# Altium PCB MatrixRE.PcbDoc (part 1 of 3) (continued)
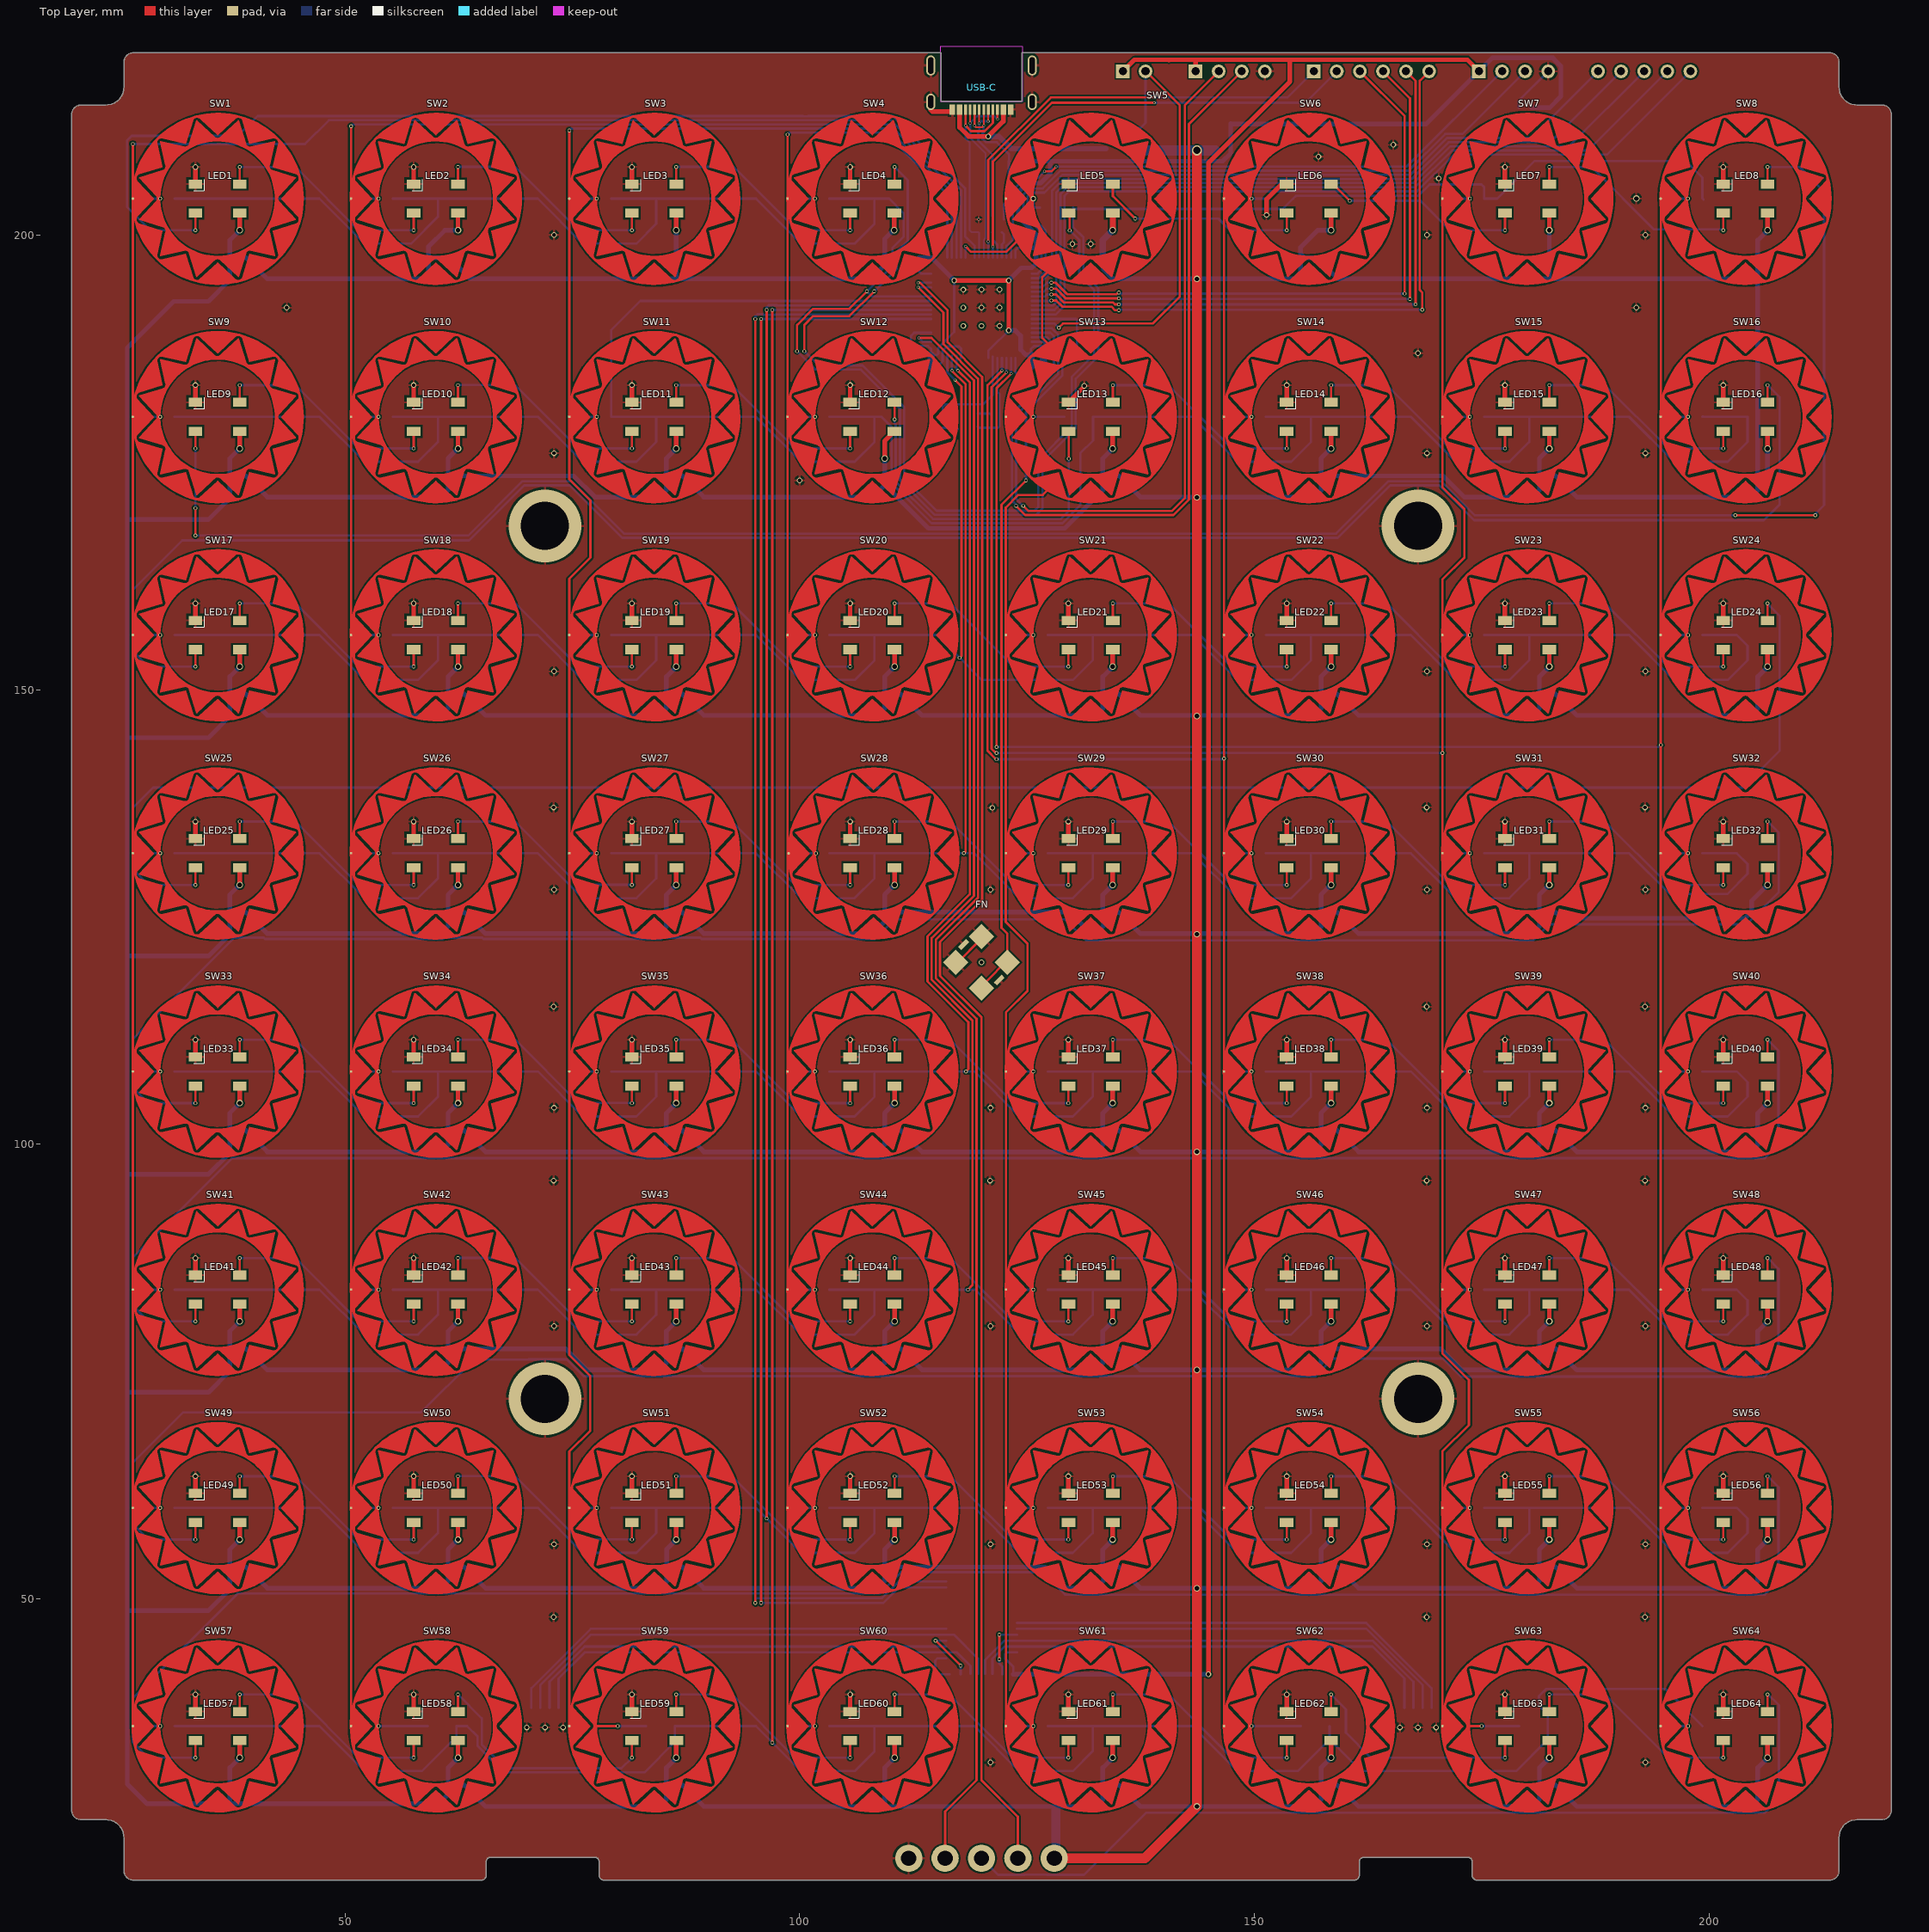
[diagram p0: Top Layer view]
## Components (designator, comment, footprint, x,y, rotation, side; value= is the part's Value field where it differs from the comment) (continued)
D40 "1N4148" SOD123 197.7,108 r0 bottom
D41 "1N4148" SOD123 29.7,84 r0 bottom
D42 "1N4148" SOD123 53.7,84 r0 bottom
D43 "1N4148" SOD123 77.7,84 r0 bottom
D44 "1N4148" SOD123 101.7,84 r0 bottom
D45 "1N4148" SOD123 125.7,84 r0 bottom
D46 "1N4148" SOD123 149.7,84 r0 bottom
D47 "1N4148" SOD123 173.7,84 r0 bottom
D48 "1N4148" SOD123 197.7,84 r0 bottom
D49 "1N4148" SOD123 29.7,60 r0 bottom
D50 "1N4148" SOD123 53.7,60 r0 bottom
D51 "1N4148" SOD123 77.7,60 r0 bottom
D52 "1N4148" SOD123 101.7,60 r0 bottom
D53 "1N4148" SOD123 125.7,60 r0 bottom
D54 "1N4148" SOD123 149.7,60 r0 bottom
D55 "1N4148" SOD123 173.7,60 r0 bottom
D56 "1N4148" SOD123 197.7,60 r0 bottom
D57 "1N4148" SOD123 29.7,36 r0 bottom
D58 "1N4148" SOD123 60.7,36 r0 bottom
D59 "1N4148" SOD123 84.7,36 r0 bottom
D60 "1N4148" SOD123 101.7,36 r0 bottom
D61 "1N4148" SOD123 125.7,36 r0 bottom
D62 "1N4148" SOD123 156.7,36 r0 bottom
D63 "1N4148" SOD123 180.7,36 r0 bottom
D64 "1N4148" SOD123 197.7,36 r0 bottom
FN "Comment" sw5x5 120,120 r45 top (schematic designator "Matrix Key")
I2C "SWD" HDR1X4 143.54,218 r0 bottom
LDO "CJA1117" SOT89-3L 147.4,212.05 r180 bottom (schematic designator L1)
LED1 "WS2812B" WS2812B 36,204 r180 top
LED2 "WS2812B" WS2812B 60,204 r180 top
LED3 "WS2812B" WS2812B 84,204 r180 top
LED4 "WS2812B" WS2812B 108,204 r180 top
LED5 "WS2812B" WS2812B 132,204 r180 top
LED6 "WS2812B" WS2812B 156,204 r180 top
LED7 "WS2812B" WS2812B 180,204 r180 top
LED8 "WS2812B" WS2812B 204,204 r180 top
LED9 "WS2812B" WS2812B 36,180 r180 top
LED10 "WS2812B" WS2812B 60,180 r180 top
LED11 "WS2812B" WS2812B 84,180 r180 top
LED12 "WS2812B" WS2812B 108,180 r180 top
LED13 "WS2812B" WS2812B 132,180 r180 top
LED14 "WS2812B" WS2812B 156,180 r180 top
LED15 "WS2812B" WS2812B 180,180 r180 top
LED16 "WS2812B" WS2812B 204,180 r180 top
LED17 "WS2812B" WS2812B 36,156 r180 top
LED18 "WS2812B" WS2812B 60,156 r180 top
LED19 "WS2812B" WS2812B 84,156 r180 top
LED20 "WS2812B" WS2812B 108,156 r180 top
LED21 "WS2812B" WS2812B 132,156 r180 top
LED22 "WS2812B" WS2812B 156,156 r180 top
LED23 "WS2812B" WS2812B 180,156 r180 top
LED24 "WS2812B" WS2812B 204,156 r180 top
LED25 "WS2812B" WS2812B 36,132 r180 top
LED26 "WS2812B" WS2812B 60,132 r180 top
LED27 "WS2812B" WS2812B 84,132 r180 top
LED28 "WS2812B" WS2812B 108,132 r180 top
LED29 "WS2812B" WS2812B 132,132 r180 top
LED30 "WS2812B" WS2812B 156,132 r180 top
LED31 "WS2812B" WS2812B 180,132 r180 top
LED32 "WS2812B" WS2812B 204,132 r180 top
LED33 "WS2812B" WS2812B 36,108 r180 top
LED34 "WS2812B" WS2812B 60,108 r180 top
LED35 "WS2812B" WS2812B 84,108 r180 top
LED36 "WS2812B" WS2812B 108,108 r180 top
LED37 "WS2812B" WS2812B 132,108 r180 top
LED38 "WS2812B" WS2812B 156,108 r180 top
LED39 "WS2812B" WS2812B 180,108 r180 top
LED40 "WS2812B" WS2812B 204,108 r180 top
LED41 "WS2812B" WS2812B 36,84 r180 top
LED42 "WS2812B" WS2812B 60,84 r180 top
LED43 "WS2812B" WS2812B 84,84 r180 top
LED44 "WS2812B" WS2812B 108,84 r180 top
LED45 "WS2812B" WS2812B 132,84 r180 top
LED46 "WS2812B" WS2812B 156,84 r180 top
LED47 "WS2812B" WS2812B 180,84 r180 top
LED48 "WS2812B" WS2812B 204,84 r180 top
LED49 "WS2812B" WS2812B 36,60 r180 top
LED50 "WS2812B" WS2812B 60,60 r180 top
LED51 "WS2812B" WS2812B 84,60 r180 top
LED52 "WS2812B" WS2812B 108,60 r180 top
LED53 "WS2812B" WS2812B 132,60 r180 top
LED54 "WS2812B" WS2812B 156,60 r180 top
LED55 "WS2812B" WS2812B 180,60 r180 top
LED56 "WS2812B" WS2812B 204,60 r180 top
LED57 "WS2812B" WS2812B 36,36 r180 top
LED58 "WS2812B" WS2812B 60,36 r180 top
LED59 "WS2812B" WS2812B 84,36 r180 top
LED60 "WS2812B" WS2812B 108,36 r180 top
LED61 "WS2812B" WS2812B 132,36 r180 top
LED62 "WS2812B" WS2812B 156,36 r180 top
LED63 "WS2812B" WS2812B 180,36 r180 top
LED64 "WS2812B" WS2812B 204,36 r180 top
MCU "RET6" STM-LQFP64_L 120,192 r90 bottom locked (schematic designator RET6)
PPTC "Fuse 1" C1206 135,209.5 r0 bottom
R3 "System" 1608[0603] 122.45,201 r270 bottom value=22 (schematic designator R5)
R4 "System" 1608[0603] 121.2,201 r270 bottom value=22
R7 "System" 1608[0603] 123.8,208.107 r0 bottom value=1.5K
R9 "Res2" C1206 135,211.79 r180 bottom value=10K
R10 "System" 1608[0603] 119.696,201 r270 bottom value=5.1k
R12 "Res2" C1206 130.5,192 r270 bottom value=10K
RA1 "820K" 8P4R 120,41 r180 bottom (schematic designator "8P4R Resistor")
RLED "Res2" C1206 36.08,213.1 r180 bottom value=10K
SPI "Comment" HDR1X5 187.79,218 r0 bottom
SW1 "" PAD#1 36,204 r0 top
SW2 "" PAD#1 60,204 r0 top
SW3 "" PAD#1 84,204 r0 top
SW4 "" PAD#1 108,204 r0 top
SW5 "" PAD#2 132,204 r0 top locked
SW6 "" PAD#1 156,204 r0 top
SW7 "" PAD#1 180,204 r0 top
SW8 "" PAD#1 204,204 r0 top
SW9 "" PAD#1 36,180 r0 top
SW10 "" PAD#1 60,180 r0 top
SW11 "" PAD#1 84,180 r0 top
SW12 "" PAD#1 108,180 r0 top locked
SW13 "" PAD#1 132,180 r0 top locked
SW14 "" PAD#1 156,180 r0 top
SW15 "" PAD#1 180,180 r0 top
SW16 "" PAD#1 204,180 r0 top
SW17 "" PAD#1 36,156 r0 top
SW18 "" PAD#1 60,156 r0 top
SW19 "" PAD#1 84,156 r0 top
SW20 "" PAD#1 108,156 r0 top
SW21 "" PAD#1 132,156 r0 top
SW22 "" PAD#1 156,156 r0 top
SW23 "" PAD#1 180,156 r0 top
SW24 "" PAD#1 204,156 r0 top
SW25 "" PAD#1 36,132 r0 top
SW26 "" PAD#1 60,132 r0 top
SW27 "" PAD#1 84,132 r0 top
SW28 "" PAD#1 108.11,131.987 r0 top locked
SW29 "" PAD#1 132,132 r0 top
SW30 "" PAD#1 156,132 r0 top
SW31 "" PAD#1 180,132 r0 top
SW32 "" PAD#1 204,132 r0 top
SW33 "" PAD#1 36,108 r0 top
SW34 "" PAD#1 60,108 r0 top
SW35 "" PAD#1 84,108 r0 top
SW36 "" PAD#1 108,108 r0 top locked
SW37 "" PAD#1 132,108 r0 top
SW38 "" PAD#1 156,108 r0 top
SW39 "" PAD#1 180,108 r0 top
SW40 "" PAD#1 204,108 r0 top
SW41 "" PAD#1 36,84 r0 top
SW42 "" PAD#1 60,84 r0 top
SW43 "" PAD#1 84,84 r0 top
SW44 "" PAD#1 108,84 r0 top
SW45 "" PAD#1 132,84 r0 top
SW46 "" PAD#1 156,84 r0 top
SW47 "" PAD#1 180,84 r0 top
SW48 "" PAD#1 204,84 r0 top
SW49 "" PAD#1 36,60 r0 top
SW50 "" PAD#1 60,60 r0 top
SW51 "" PAD#1 84,60 r0 top
SW52 "" PAD#1 108,60 r0 top
SW53 "" PAD#1 132,60 r0 top
SW54 "" PAD#1 156,60 r0 top
SW55 "" PAD#1 180,60 r0 top
SW56 "" PAD#1 204,60 r0 top
SW57 "" PAD#1 36,36 r0 top
SW58 "" PAD#1 60,36 r0 top
SW59 "" PAD#3 84,36 r0 top
SW60 "" PAD#1 108,36 r0 top
SW61 "" PAD#1 132,36 r0 top
SW62 "" PAD#1 156,36 r0 top
SW63 "" PAD#4 180,36 r0 top
SW64 "" PAD#1 204,36 r0 top
SWD "SWD" HDR1X4 174.7,218 r0 bottom
"TOUCH IC" "Comment" SSOP-28 116.1,43.45 r0 bottom
TouchBar1 "Comment" "6Pin FPC" 168,38 r180 bottom
TouchBar2 "Comment" "6Pin FPC" 72,38 r180 bottom
UART4/5 "SWD" HDR1X6 156.53,218 r0 bottom
USB-C "USBC 16PIN" "USBC 16PIN -1.6" 120,213.2 r0 top (schematic designator 1)
Y1 "System" 3225 118.5,179.5 r180 bottom

## Footprints (in the part's own frame and the unit in brackets; to place one, negate y for a bottom-side part, rotate by r counter-clockwise, add the part's x,y. Pads: shape width x height; smd on the part's side, far side on the other; paste and mask are expansions set on the pad)
"6Pin FPC" [mm]
  rect 2.6x2.6 smd: 0(-4.9,-2.15) 0(4.8,-2.15)
  rect 0.6x2.2 smd: 1(-2.5,0) 2(-1.5,0) 3(-0.5,0) 4(0.5,0) 5(1.5,0) 6(2.5,0)
  body extent -6.2,-6.85 6.1,-0.85, height 0.25
8P4R [mm]
  rect 0.45x0.9 smd: 1(-1.2,0.75) 2(-0.4,0.75) 3(0.4,0.75) 4(1.2,0.75) 5(-1.2,-0.75) 6(-0.4,-0.75) 7(0.4,-0.75) 8(1.2,-0.75)
  body extent -1.6,-0.8 1.6,0.8, height 0.6
1608[0603] [mm] "Chip Capacitor, Body 1.6x0.8mm, IPC High Density"
  rect 0.8x0.9 smd: 1(-0.7,0) 2(0.7,0)
  body extent -0.87,-0.48 0.87,0.48, height 1.3
3225 [mm]
  rect 1.4x1.2 smd: 1(-1.1,-0.85) 2(1.1,-0.85) 3(1.1,0.85) 4(-1.1,0.85)
  silkscreen extent -1.35,-1.2 -0.15,0, body extent -1.6,-1.24 1.6,1.26, height 0.61
C1206 [mm] "Chip Capacitor, Body 3.2x1.6mm, IPC High Density"
  rect 1.1x1.7 smd: 1(-1.35,0) 2(1.35,0)
  silkscreen extent -0.4,-0.75 0.4,0.75, body extent -1.7,-0.9 1.7,0.9, height 1.3
HDR1X4 [mm] "Connector; Header; 4 Position"
  rect 1.5x1.5 hole 0.9: 1(0,0)
  round 1.5 hole 0.9: 2(2.54,0) 3(5.08,0) 4(7.62,0)
  silkscreen extent -1.27,-1.27 8.89,1.27
HDR1X5 [mm] "Connector; Header; 5 Position"
  round 1.5 hole 0.9: 1(0,0) 2(2.54,0) 3(5.08,0) 4(7.62,0) 5(10.16,0)
  silkscreen extent -1.27,-1.27 11.43,1.27
HDR1X6 [mm] "Connector; Header; 6 Position"
  rect 1.5x1.5 hole 0.9: 1(0,0)
  round 1.5 hole 0.9: 2(2.54,0) 3(5.08,0) 4(7.62,0) 5(10.16,0) 6(12.7,0)
  silkscreen extent -1.27,-1.27 13.97,1.27
PAD#1 [mil]
  rrect50% 10x10 smd paste+0 mask+0: 1(-366.86,0.1)
  round 16 hole 10 paste+0 mask+0: 2(-248.03,0)
  Top Layer region: 11.52,-267 88.04,-338.41 89.8,-338.92 91.58,-338.49 92.9,-337.22 92.9,-337.22 123.53,-236.97 126.34,-231.27 131.12,-227.08 137.14,-225.05 143.48,-225.47 143.48,-225.47 245.46,-249.04 246.83,-248.77 247.99,-247.99 248.77,-246.83 249.04,-245.46 249.04,-245.46 225.47,-143.46 225.47,-135.03 229.68,-127.74 236.98,-123.52 236.98,-123.52 337.08,-92.94 338.13,-92.02 338.75,-90.76 338.84,-89.37 338.4,-88.04 338.4,-88.04 267,-11.52 262.78,-4.21 262.78,4.22 267,11.52 267,11.52 338.41,88.06 338.86,89.38 338.76,90.78 338.15,92.03 337.09,92.95 337.09,92.95 236.97,123.53 229.67,127.74 225.46,135.04 225.47,143.47 225.47,143.47 249.04,245.46 248.77,246.83 247.99,247.99 246.83,248.77 245.46,249.04 245.46,249.04 143.46,225.46 137.12,225.05 131.11,227.09 126.33,231.28 123.53,236.98 123.53,236.98 92.94,337.1 92.02,338.15 90.76,338.76 89.37,338.85 88.04,338.4 88.04,338.4 0,256.24 0,248.01 109.09,222.73 195.93,152.04 242.84,50.36 240.24,-61.58 188.66,-160.98 98.62,-227.55 -11.52,-247.74 -11.52,-247.74 -11.52,-267 -6.23,-263.47 0,-262.23 6.23,-263.47 11.52,-267
  Top Layer region: 78.86,-365.11 78.86,-349.67 88.99,-352.38 99.11,-349.67 106.52,-342.25 106.52,-342.25 137.1,-242.13 137.6,-241.12 138.45,-240.39 139.51,-240.03 140.63,-240.11 140.63,-240.11 242.63,-263.68 250.37,-262.14 256.94,-257.75 261.32,-251.19 262.86,-243.44 262.86,-243.44 239.29,-141.43 239.22,-140.32 239.58,-139.26 240.32,-138.41 241.32,-137.92 241.32,-137.92 341.42,-107.34 348.83,-99.93 351.55,-89.8 348.84,-79.68 348.84,-79.68 277.43,-3.14 276.68,-1.85 276.68,-0.36 277.43,0.93 277.43,0.93 348.84,77.47 351.38,84.95 350.86,92.83 347.37,99.91 341.43,105.12 341.44,105.12 241.32,135.7 240.32,136.2 239.57,137.05 239.21,138.11 239.29,139.23 239.29,139.23 262.86,241.22 261.32,248.97 256.94,255.54 250.37,259.93 242.63,261.47 242.63,261.47 140.63,237.89 139.51,237.82 138.44,238.18 137.6,238.92 137.1,239.93 137.1,239.93 106.52,340.05 101.31,345.99 94.22,349.48 86.34,350 78.86,347.46 78.86,347.46 2.33,276.05 1.39,275.42 0.29,275.2 -0.82,275.42 -1.75,276.05 -1.75,276.05 -91.52,359.8 76.07,363.5 228.29,293.33 334.32,163.5 372.68,0.33 335.58,-163.14 230.55,-293.78 78.86,-365.11
  Top Layer region: -78.29,362.9 -78.29,347.46 -85.77,350 -93.65,349.48 -100.74,345.99 -105.95,340.04 -105.95,340.05 -136.53,239.92 -137.03,238.92 -137.88,238.18 -138.94,237.82 -140.06,237.9 -140.06,237.9 -242.05,261.47 -249.8,259.93 -256.36,255.55 -260.75,248.98 -262.29,241.24 -262.29,241.24 -238.72,139.23 -238.65,138.11 -239.01,137.05 -239.75,136.21 -240.75,135.71 -240.75,135.71 -340.85,105.13 -346.79,99.92 -350.29,92.84 -350.81,84.95 -348.27,77.47 -348.27,77.47 -276.86,0.93 -276.23,0 -276.01,-1.1 -276.23,-2.21 -276.86,-3.14 -276.86,-3.14 -348.27,-79.68 -350.81,-87.16 -350.29,-95.04 -346.8,-102.12 -340.86,-107.33 -340.86,-107.33 -240.75,-137.91 -239.74,-138.41 -239,-139.25 -238.64,-140.32 -238.72,-141.44 -238.72,-141.44 -262.29,-243.43 -260.75,-251.18 -256.37,-257.75 -249.8,-262.14 -242.05,-263.68 -242.05,-263.68 -140.06,-240.1 -138.94,-240.03 -137.87,-240.39 -137.03,-241.13 -136.53,-242.14 -136.53,-242.14 -105.95,-342.25 -100.74,-348.19 -93.65,-351.69 -85.77,-352.2 -78.29,-349.67 -78.29,-349.67 -1.76,-278.25 -0.82,-277.63 0.28,-277.41 1.39,-277.63 2.32,-278.25 2.32,-278.25 92.09,-362 -75.49,-365.71 -227.72,-295.53 -333.75,-165.71 -372.11,-2.53 -335.01,160.93 -229.98,291.57 -78.29,362.9
  Top Layer region: -249.04,-245.46 -248.77,-246.83 -247.99,-247.99 -246.83,-248.77 -245.46,-249.04 -245.46,-249.04 -143.47,-225.47 -135.04,-225.46 -127.74,-229.67 -123.53,-236.97 -123.53,-236.97 -92.95,-337.08 -92.03,-338.13 -90.78,-338.76 -89.38,-338.85 -88.06,-338.41 -88.06,-338.41 0,-256.25 0,-248.01 -109.09,-222.73 -195.94,-152.04 -242.84,-50.36 -240.24,61.58 -188.66,160.98 -98.63,227.55 11.52,247.74 11.52,247.74 11.52,266.99 6.23,263.46 0,262.22 -6.23,263.46 -11.51,266.99 -11.51,266.99 -88.06,338.4 -89.38,338.85 -90.77,338.76 -92.03,338.14 -92.95,337.09 -92.95,337.09 -123.53,236.98 -126.33,231.28 -131.11,227.09 -137.13,225.05 -143.46,225.46 -143.46,225.46 -245.46,249.04 -246.83,248.77 -247.99,247.99 -248.77,246.82 -249.04,245.45 -249.04,245.45 -225.46,143.47 -225.04,137.13 -227.08,131.11 -231.27,126.34 -236.97,123.52 -236.97,123.52 -337.09,92.95 -338.14,92.03 -338.76,90.77 -338.85,89.38 -338.4,88.06 -338.4,88.06 -266.99,11.52 -263.46,6.23 -262.22,0 -263.46,-6.23 -266.99,-11.52 -266.99,-11.52 -338.4,-88.04 -338.85,-89.37 -338.76,-90.76 -338.15,-92.02 -337.09,-92.94 -337.09,-92.94 -236.98,-123.53 -231.28,-126.33 -227.09,-131.11 -225.05,-137.12 -225.46,-143.46 -225.46,-143.46
PAD#2 [mil]
  rrect50% 10x10 smd paste+0 mask+0: 1(-366.86,0.1)
  round 23.62 hole 15 paste+0 mask+0: 2(-248.03,0)
  Top Layer region: -249.04,-245.46 -248.77,-246.83 -247.99,-247.99 -246.83,-248.77 -245.46,-249.04 -245.46,-249.04 -143.47,-225.47 -135.04,-225.46 -127.74,-229.67 -123.53,-236.97 -123.53,-236.97 -92.95,-337.08 -92.03,-338.13 -90.78,-338.76 -89.38,-338.85 -88.06,-338.41 -88.06,-338.41 0,-256.25 0,-248.01 -109.09,-222.73 -195.94,-152.04 -242.84,-50.36 -240.24,61.58 -188.66,160.98 -98.63,227.55 11.52,247.74 11.52,247.74 11.52,266.99 6.23,263.46 0,262.22 -6.23,263.46 -11.51,266.99 -11.51,266.99 -88.06,338.4 -89.38,338.85 -90.77,338.76 -92.03,338.14 -92.95,337.09 -92.95,337.09 -123.53,236.98 -126.33,231.28 -131.11,227.09 -137.13,225.05 -143.46,225.46 -143.46,225.46 -245.46,249.04 -246.83,248.77 -247.99,247.99 -248.77,246.82 -249.04,245.45 -249.04,245.45 -225.46,143.47 -225.04,137.13 -227.08,131.11 -231.27,126.34 -236.97,123.52 -236.97,123.52 -337.09,92.95 -338.14,92.03 -338.76,90.77 -338.85,89.38 -338.4,88.06 -338.4,88.06 -266.99,11.52 -263.46,6.23 -262.22,0 -263.46,-6.23 -266.99,-11.52 -266.99,-11.52 -338.4,-88.04 -338.85,-89.37 -338.76,-90.76 -338.15,-92.02 -337.09,-92.94 -337.09,-92.94 -236.98,-123.53 -231.28,-126.33 -227.09,-131.11 -225.05,-137.12 -225.46,-143.46 -225.46,-143.46
  Top Layer region: -78.29,362.9 -78.29,347.46 -85.77,350 -93.65,349.48 -100.74,345.99 -105.95,340.04 -105.95,340.05 -136.53,239.92 -137.03,238.92 -137.88,238.18 -138.94,237.82 -140.06,237.9 -140.06,237.9 -242.05,261.47 -249.8,259.93 -256.36,255.55 -260.75,248.98 -262.29,241.24 -262.29,241.24 -238.72,139.23 -238.65,138.11 -239.01,137.05 -239.75,136.21 -240.75,135.71 -240.75,135.71 -340.85,105.13 -346.79,99.92 -350.29,92.84 -350.81,84.95 -348.27,77.47 -348.27,77.47 -276.86,0.93 -276.23,0 -276.01,-1.1 -276.23,-2.21 -276.86,-3.14 -276.86,-3.14 -348.27,-79.68 -350.81,-87.16 -350.29,-95.04 -346.8,-102.12 -340.86,-107.33 -340.86,-107.33 -240.75,-137.91 -239.74,-138.41 -239,-139.25 -238.64,-140.32 -238.72,-141.44 -238.72,-141.44 -262.29,-243.43 -260.75,-251.18 -256.37,-257.75 -249.8,-262.14 -242.05,-263.68 -242.05,-263.68 -140.06,-240.1 -138.94,-240.03 -137.87,-240.39 -137.03,-241.13 -136.53,-242.14 -136.53,-242.14 -105.95,-342.25 -100.74,-348.19 -93.65,-351.69 -85.77,-352.2 -78.29,-349.67 -78.29,-349.67 -1.76,-278.25 -0.82,-277.63 0.28,-277.41 1.39,-277.63 2.32,-278.25 2.32,-278.25 92.09,-362 -75.49,-365.71 -227.72,-295.53 -333.75,-165.71 -372.11,-2.53 -335.01,160.93 -229.98,291.57 -78.29,362.9
  Top Layer region: 78.86,-365.11 78.86,-349.67 88.99,-352.38 99.11,-349.67 106.52,-342.25 106.52,-342.25 137.1,-242.13 137.6,-241.12 138.45,-240.39 139.51,-240.03 140.63,-240.11 140.63,-240.11 242.63,-263.68 250.37,-262.14 256.94,-257.75 261.32,-251.19 262.86,-243.44 262.86,-243.44 239.29,-141.43 239.22,-140.32 239.58,-139.26 240.32,-138.41 241.32,-137.92 241.32,-137.92 341.42,-107.34 348.83,-99.93 351.55,-89.8 348.84,-79.68 348.84,-79.68 277.43,-3.14 276.68,-1.85 276.68,-0.36 277.43,0.93 277.43,0.93 348.84,77.47 351.38,84.95 350.86,92.83 347.37,99.91 341.43,105.12 341.43,105.12 241.32,135.7 240.32,136.2 239.57,137.05 239.21,138.11 239.29,139.23 239.29,139.23 262.86,241.22 261.32,248.97 256.94,255.54 250.37,259.93 242.63,261.47 242.63,261.47 140.63,237.89 139.51,237.82 138.44,238.18 137.6,238.92 137.1,239.93 137.1,239.93 106.52,340.05 101.31,345.99 94.22,349.48 86.34,350 78.86,347.46 78.86,347.46 2.33,276.05 1.39,275.42 0.29,275.2 -0.82,275.42 -1.75,276.05 -1.75,276.05 -91.52,359.8 76.07,363.5 228.29,293.33 334.32,163.5 372.68,0.33 335.58,-163.14 230.55,-293.78 78.86,-365.11
  Top Layer region: 11.52,-267 88.04,-338.41 89.8,-338.92 91.58,-338.49 92.9,-337.22 92.9,-337.22 123.53,-236.97 126.34,-231.27 131.12,-227.08 137.14,-225.05 143.48,-225.47 143.48,-225.47 245.46,-249.04 246.83,-248.77 247.99,-247.99 248.77,-246.83 249.04,-245.46 249.04,-245.46 225.47,-143.46 225.47,-135.03 229.68,-127.74 236.98,-123.52 236.98,-123.52 337.08,-92.94 338.13,-92.02 338.75,-90.76 338.84,-89.37 338.4,-88.04 338.4,-88.04 267,-11.52 262.78,-4.21 262.78,4.22 267,11.52 267,11.52 338.41,88.06 338.86,89.38 338.76,90.78 338.15,92.03 337.09,92.95 337.09,92.95 236.97,123.53 229.67,127.74 225.46,135.04 225.47,143.47 225.47,143.47 249.04,245.46 248.77,246.83 247.99,247.99 246.83,248.77 245.46,249.04 245.46,249.04 143.46,225.46 137.12,225.05 131.11,227.09 126.33,231.28 123.53,236.98 123.53,236.98 92.94,337.1 92.02,338.15 90.76,338.76 89.37,338.85 88.04,338.4 88.04,338.4 0,256.24 0,248.01 109.09,222.73 195.93,152.04 242.84,50.36 240.24,-61.58 188.66,-160.98 98.62,-227.55 -11.52,-247.74 -11.52,-247.74 -11.52,-267 -6.23,-263.47 0,-262.23 6.23,-263.47 11.52,-267
PAD#3 [mil]
  rrect50% 10x10 smd paste+0 mask+0: 1(-366.86,0.1)
  round 16 hole 10 paste+0 mask+0: 2(-157.48,0)
  Top Layer region: 11.52,-267 88.04,-338.41 89.8,-338.92 91.58,-338.49 92.9,-337.22 92.9,-337.22 123.53,-236.97 126.34,-231.27 131.12,-227.08 137.14,-225.05 143.48,-225.47 143.48,-225.47 245.46,-249.04 246.83,-248.77 247.99,-247.99 248.77,-246.83 249.04,-245.46 249.04,-245.46 225.47,-143.46 225.47,-135.03 229.68,-127.74 236.98,-123.52 236.98,-123.52 337.08,-92.94 338.13,-92.02 338.75,-90.76 338.84,-89.37 338.4,-88.04 338.4,-88.04 267,-11.52 262.78,-4.21 262.78,4.22 267,11.52 267,11.52 338.41,88.06 338.86,89.38 338.76,90.78 338.15,92.03 337.09,92.95 337.09,92.95 236.97,123.53 229.67,127.74 225.46,135.04 225.47,143.47 225.47,143.47 249.04,245.46 248.77,246.83 247.99,247.99 246.83,248.77 245.46,249.04 245.46,249.04 143.46,225.46 137.12,225.05 131.11,227.09 126.33,231.28 123.53,236.98 123.53,236.98 92.94,337.1 92.02,338.15 90.76,338.76 89.37,338.85 88.04,338.4 88.04,338.4 0,256.24 0,248.01 109.09,222.73 195.93,152.04 242.84,50.36 240.24,-61.58 188.66,-160.98 98.62,-227.55 -11.52,-247.74 -11.52,-247.74 -11.52,-267 -6.23,-263.47 0,-262.23 6.23,-263.47 11.52,-267
  Top Layer region: 78.86,-365.11 78.86,-349.67 88.99,-352.38 99.11,-349.67 106.52,-342.25 106.52,-342.25 137.1,-242.13 137.6,-241.12 138.45,-240.39 139.51,-240.03 140.63,-240.11 140.63,-240.11 242.63,-263.68 250.37,-262.14 256.94,-257.75 261.32,-251.19 262.86,-243.44 262.86,-243.44 239.29,-141.43 239.22,-140.32 239.58,-139.26 240.32,-138.41 241.32,-137.92 241.32,-137.92 341.42,-107.34 348.83,-99.93 351.55,-89.8 348.84,-79.68 348.84,-79.68 277.43,-3.14 276.68,-1.85 276.68,-0.36 277.43,0.93 277.43,0.93 348.84,77.47 351.38,84.95 350.86,92.83 347.37,99.91 341.43,105.12 341.43,105.12 241.32,135.7 240.32,136.2 239.57,137.05 239.21,138.11 239.29,139.23 239.29,139.23 262.86,241.22 261.32,248.97 256.94,255.54 250.37,259.93 242.63,261.47 242.63,261.47 140.63,237.89 139.51,237.82 138.44,238.18 137.6,238.92 137.1,239.93 137.1,239.93 106.52,340.05 101.31,345.99 94.22,349.48 86.34,350 78.86,347.46 78.86,347.46 2.33,276.05 1.39,275.42 0.29,275.2 -0.82,275.42 -1.75,276.05 -1.75,276.05 -91.52,359.8 76.07,363.5 228.29,293.33 334.32,163.5 372.68,0.33 335.58,-163.14 230.55,-293.78 78.86,-365.11
  Top Layer region: -78.29,362.9 -78.29,347.46 -85.77,350 -93.65,349.48 -100.74,345.99 -105.95,340.04 -105.95,340.05 -136.53,239.92 -137.03,238.92 -137.88,238.18 -138.94,237.82 -140.06,237.9 -140.06,237.9 -242.05,261.47 -249.8,259.93 -256.36,255.55 -260.75,248.98 -262.29,241.24 -262.29,241.24 -238.72,139.23 -238.65,138.11 -239.01,137.05 -239.75,136.21 -240.75,135.71 -240.75,135.71 -340.85,105.13 -346.79,99.92 -350.29,92.84 -350.81,84.95 -348.27,77.47 -348.27,77.47 -276.86,0.93 -276.23,0 -276.01,-1.1 -276.23,-2.21 -276.86,-3.14 -276.86,-3.14 -348.27,-79.68 -350.81,-87.16 -350.29,-95.04 -346.8,-102.12 -340.86,-107.33 -340.86,-107.33 -240.75,-137.91 -239.74,-138.41 -239,-139.25 -238.64,-140.32 -238.72,-141.44 -238.72,-141.44 -262.29,-243.43 -260.75,-251.18 -256.37,-257.75 -249.8,-262.14 -242.05,-263.68 -242.05,-263.68 -140.06,-240.1 -138.94,-240.03 -137.87,-240.39 -137.03,-241.13 -136.53,-242.14 -136.53,-242.14 -105.95,-342.25 -100.74,-348.19 -93.65,-351.69 -85.77,-352.2 -78.29,-349.67 -78.29,-349.67 -1.76,-278.25 -0.82,-277.63 0.28,-277.41 1.39,-277.63 2.32,-278.25 2.32,-278.25 92.09,-362 -75.49,-365.71 -227.72,-295.53 -333.75,-165.71 -372.11,-2.53 -335.01,160.93 -229.98,291.57 -78.29,362.9
  Top Layer region: -249.04,-245.46 -248.77,-246.83 -247.99,-247.99 -246.83,-248.77 -245.46,-249.04 -245.46,-249.04 -143.47,-225.47 -135.04,-225.46 -127.74,-229.67 -123.53,-236.97 -123.53,-236.97 -92.95,-337.08 -92.03,-338.13 -90.78,-338.76 -89.38,-338.85 -88.06,-338.41 -88.06,-338.41 0,-256.25 0,-248.01 -109.09,-222.73 -195.94,-152.04 -242.84,-50.36 -240.24,61.58 -188.66,160.98 -98.63,227.55 11.52,247.74 11.52,247.74 11.52,266.99 6.23,263.46 0,262.22 -6.23,263.46 -11.51,266.99 -11.51,266.99 -88.06,338.4 -89.38,338.85 -90.77,338.76 -92.03,338.14 -92.95,337.09 -92.95,337.09 -123.53,236.98 -126.33,231.28 -131.11,227.09 -137.13,225.05 -143.46,225.46 -143.46,225.46 -245.46,249.04 -246.83,248.77 -247.99,247.99 -248.77,246.82 -249.04,245.45 -249.04,245.45 -225.46,143.47 -225.04,137.13 -227.08,131.11 -231.27,126.34 -236.97,123.52 -236.97,123.52 -337.09,92.95 -338.14,92.03 -338.76,90.77 -338.85,89.38 -338.4,88.06 -338.4,88.06 -266.99,11.52 -263.46,6.23 -262.22,0 -263.46,-6.23 -266.99,-11.52 -266.99,-11.52 -338.4,-88.04 -338.85,-89.37 -338.76,-90.76 -338.15,-92.02 -337.09,-92.94 -337.09,-92.94 -236.98,-123.53 -231.28,-126.33 -227.09,-131.11 -225.05,-137.12 -225.46,-143.46 -225.46,-143.46
PAD#4 [mil]
  rrect50% 10x10 smd paste+0 mask+0: 1(-366.86,0.1)
  round 16 hole 10 paste+0 mask+0: 2(-196.85,0)
  Top Layer region: 11.52,-267 88.04,-338.41 89.8,-338.92 91.58,-338.49 92.9,-337.22 92.9,-337.22 123.53,-236.97 126.34,-231.27 131.12,-227.08 137.14,-225.05 143.48,-225.47 143.48,-225.47 245.46,-249.04 246.83,-248.77 247.99,-247.99 248.77,-246.83 249.04,-245.46 249.04,-245.46 225.47,-143.46 225.47,-135.03 229.68,-127.74 236.98,-123.52 236.98,-123.52 337.08,-92.94 338.13,-92.02 338.75,-90.76 338.84,-89.37 338.4,-88.04 338.4,-88.04 267,-11.52 262.78,-4.21 262.78,4.22 267,11.52 267,11.52 338.41,88.06 338.86,89.38 338.76,90.78 338.15,92.03 337.09,92.95 337.09,92.95 236.97,123.53 229.67,127.74 225.46,135.04 225.47,143.47 225.47,143.47 249.04,245.46 248.77,246.83 247.99,247.99 246.83,248.77 245.46,249.04 245.46,249.04 143.46,225.46 137.12,225.05 131.11,227.09 126.33,231.28 123.53,236.98 123.53,236.98 92.94,337.1 92.02,338.15 90.76,338.76 89.37,338.85 88.04,338.4 88.04,338.4 0,256.24 0,248.01 109.09,222.73 195.93,152.04 242.84,50.36 240.24,-61.58 188.66,-160.98 98.62,-227.55 -11.52,-247.74 -11.52,-247.74 -11.52,-267 -6.23,-263.47 0,-262.23 6.23,-263.47 11.52,-267
  Top Layer region: 78.86,-365.11 78.86,-349.67 88.99,-352.38 99.11,-349.67 106.52,-342.25 106.52,-342.25 137.1,-242.13 137.6,-241.12 138.45,-240.39 139.51,-240.03 140.63,-240.11 140.63,-240.11 242.63,-263.68 250.37,-262.14 256.94,-257.75 261.32,-251.19 262.86,-243.44 262.86,-243.44 239.29,-141.43 239.22,-140.32 239.58,-139.26 240.32,-138.41 241.32,-137.92 241.32,-137.92 341.42,-107.34 348.83,-99.93 351.55,-89.8 348.84,-79.68 348.84,-79.68 277.43,-3.14 276.68,-1.85 276.68,-0.36 277.43,0.93 277.43,0.93 348.84,77.47 351.38,84.95 350.86,92.83 347.37,99.91 341.43,105.12 341.44,105.12 241.32,135.7 240.32,136.2 239.57,137.05 239.21,138.11 239.29,139.23 239.29,139.23 262.86,241.22 261.32,248.97 256.94,255.54 250.37,259.93 242.63,261.47 242.63,261.47 140.63,237.89 139.51,237.82 138.44,238.18 137.6,238.92 137.1,239.93 137.1,239.93 106.52,340.05 101.31,345.99 94.22,349.48 86.34,350 78.86,347.46 78.86,347.46 2.33,276.05 1.39,275.42 0.29,275.2 -0.82,275.42 -1.75,276.05 -1.75,276.05 -91.52,359.8 76.07,363.5 228.29,293.33 334.32,163.5 372.68,0.33 335.58,-163.14 230.55,-293.78 78.86,-365.11
  Top Layer region: -78.29,362.9 -78.29,347.46 -85.77,350 -93.65,349.48 -100.74,345.99 -105.95,340.04 -105.95,340.05 -136.53,239.92 -137.03,238.92 -137.88,238.18 -138.94,237.82 -140.06,237.9 -140.06,237.9 -242.05,261.47 -249.8,259.93 -256.36,255.55 -260.75,248.98 -262.29,241.24 -262.29,241.24 -238.72,139.23 -238.65,138.11 -239.01,137.05 -239.75,136.21 -240.75,135.71 -240.75,135.71 -340.85,105.13 -346.79,99.92 -350.29,92.84 -350.81,84.95 -348.27,77.47 -348.27,77.47 -276.86,0.93 -276.23,0 -276.01,-1.1 -276.23,-2.21 -276.86,-3.14 -276.86,-3.14 -348.27,-79.68 -350.81,-87.16 -350.29,-95.04 -346.8,-102.12 -340.86,-107.33 -340.86,-107.33 -240.75,-137.91 -239.74,-138.41 -239,-139.25 -238.64,-140.32 -238.72,-141.44 -238.72,-141.44 -262.29,-243.43 -260.75,-251.18 -256.37,-257.75 -249.8,-262.14 -242.05,-263.68 -242.05,-263.68 -140.06,-240.1 -138.94,-240.03 -137.87,-240.39 -137.03,-241.13 -136.53,-242.14 -136.53,-242.14 -105.95,-342.25 -100.74,-348.19 -93.65,-351.69 -85.77,-352.2 -78.29,-349.67 -78.29,-349.67 -1.76,-278.25 -0.82,-277.63 0.28,-277.41 1.39,-277.63 2.32,-278.25 2.32,-278.25 92.09,-362 -75.49,-365.71 -227.72,-295.53 -333.75,-165.71 -372.11,-2.53 -335.01,160.93 -229.98,291.57 -78.29,362.9
  Top Layer region: -249.04,-245.46 -248.77,-246.83 -247.99,-247.99 -246.83,-248.77 -245.46,-249.04 -245.46,-249.04 -143.47,-225.47 -135.04,-225.46 -127.74,-229.67 -123.53,-236.97 -123.53,-236.97 -92.95,-337.08 -92.03,-338.13 -90.78,-338.76 -89.38,-338.85 -88.06,-338.41 -88.06,-338.41 0,-256.25 0,-248.01 -109.09,-222.73 -195.94,-152.04 -242.84,-50.36 -240.24,61.58 -188.66,160.98 -98.63,227.55 11.52,247.74 11.52,247.74 11.52,266.99 6.23,263.46 0,262.22 -6.23,263.46 -11.51,266.99 -11.51,266.99 -88.06,338.4 -89.38,338.85 -90.77,338.76 -92.03,338.14 -92.95,337.09 -92.95,337.09 -123.53,236.98 -126.33,231.28 -131.11,227.09 -137.13,225.05 -143.46,225.46 -143.46,225.46 -245.46,249.04 -246.83,248.77 -247.99,247.99 -248.77,246.82 -249.04,245.45 -249.04,245.45 -225.46,143.47 -225.04,137.13 -227.08,131.11 -231.27,126.34 -236.97,123.52 -236.97,123.52 -337.09,92.95 -338.14,92.03 -338.76,90.77 -338.85,89.38 -338.4,88.06 -338.4,88.06 -266.99,11.52 -263.46,6.23 -262.22,0 -263.46,-6.23 -266.99,-11.52 -266.99,-11.52 -338.4,-88.04 -338.85,-89.37 -338.76,-90.76 -338.15,-92.02 -337.09,-92.94 -337.09,-92.94 -236.98,-123.53 -231.28,-126.33 -227.09,-131.11 -225.05,-137.12 -225.46,-143.46 -225.46,-143.46
SOD123 [mm]
  rect 0.9x0.95 smd: 1(-1.575,0) 2(1.575,0)
  silkscreen extent -1.95,0.77 -1.85,0.87, body extent -1.43,-0.85 1.42,0.85, height 1.35
SOD323 [mm]
  rect 0.65x1.35 smd: 1(-1.2,0) 2(1.2,0)
  body extent -0.9,-0.7 0.9,0.7, height 0.8
SOT89-3L [mm]
  rect 0.9x1.4 smd: 1(-1.5,-2.6) 2(0,-2.6) 3(1.5,-2.6)
  rect 2.6x1.8 smd: 2(0,0.2)
  silkscreen extent 0,0 0,0, body extent -2.3,-1.6 2.3,1, height 1
SSOP-28 [mm]
  rect 1.27x0.33 smd: 1(0,0)
  oval 1.27x0.33 smd: 2(0,-0.65) 3(0,-1.3) 4(0,-1.95) 5(0,-2.6) 6(0,-3.25) 7(0,-3.9) 8(0,-4.55) 9(0,-5.2) 10(0,-5.85) 11(0,-6.5) 12(0,-7.15) 13(0,-7.8) 14(0,-8.45) 15(7.8,-8.45) 16(7.8,-7.8) 17(7.8,-7.15) 18(7.8,-6.5) 19(7.8,-5.85) 20(7.8,-5.2) 21(7.8,-4.55) 22(7.8,-3.9) 23(7.8,-3.25) 24(7.8,-2.6) 25(7.8,-1.95) 26(7.8,-1.3) 27(7.8,-0.65) 28(7.8,0)
  silkscreen extent 1.52,-8.86 6.3,0.51
STM-LQFP64_L [mm] "Thin QFP, 64-Leads, Body 10x10mm, Pitch 0.5mm, IPC High Density"
  oval 1.55x0.25 smd: 1(-5.525,3.75) 2(-5.525,3.25) 3(-5.525,2.75) 4(-5.525,2.25) 5(-5.525,1.75) 6(-5.525,1.25) 7(-5.525,0.75) 8(-5.525,0.25) 9(-5.525,-0.25) 10(-5.525,-0.75) 11(-5.525,-1.25) 12(-5.525,-1.75) 13(-5.525,-2.25) 14(-5.525,-2.75) 15(-5.525,-3.25) 16(-5.525,-3.75) 33(5.525,-3.75) 34(5.525,-3.25) 35(5.525,-2.75) 36(5.525,-2.25) 37(5.525,-1.75) 38(5.525,-1.25) 39(5.525,-0.75) 40(5.525,-0.25) 41(5.525,0.25) 42(5.525,0.75) 43(5.525,1.25) 44(5.525,1.75) 45(5.525,2.25) 46(5.525,2.75) 47(5.525,3.25) 48(5.525,3.75)
  oval 0.25x1.55 smd: 17(-3.75,-5.525) 18(-3.25,-5.525) 19(-2.75,-5.525) 20(-2.25,-5.525) 21(-1.75,-5.525) 22(-1.25,-5.525) 23(-0.75,-5.525) 24(-0.25,-5.525) 25(0.25,-5.525) 26(0.75,-5.525) 27(1.25,-5.525) 28(1.75,-5.525) 29(2.25,-5.525) 30(2.75,-5.525) 31(3.25,-5.525) 32(3.75,-5.525) 49(3.75,5.525) 50(3.25,5.525) 51(2.75,5.525) 52(2.25,5.525) 53(1.75,5.525) 54(1.25,5.525) 55(0.75,5.525) 56(0.25,5.525) 57(-0.25,5.525) 58(-0.75,5.525) 59(-1.25,5.525) 60(-1.75,5.525) 61(-2.25,5.525) 62(-2.75,5.525) 63(-3.25,5.525) 64(-3.75,5.525)
  silkscreen extent -5.65,-4.35 4.35,4.55, body extent -5,-5 5,5, height 1.6
sw5x5 [mm]
  rect 1.25x0.5 smd: 0(0,2.75) 0(0,-2.75)
  rect 2x2 smd: 1(-2,2) 1(2,2) 2(-2,-2) 2(2,-2)
  body extent -2.57,-2.57 2.57,2.57, height 1.5
"USBC 16PIN -1.6" [mm]
  oval 1x1.8 hole 0.6 slot 1.4 at 90 deg paste+0 mask+0: 0(-5.575,1.44) 0(5.575,1.44)
  oval 1x2.2 hole 0.6 slot 1.8 at 90 deg paste+0 mask+0: 0(-5.575,5.44) 0(5.575,5.44)
  rect 0.6x1.15 smd: A1(3.2,0.575) A4(2.4,0.575) A9(-2.4,0.575) A12(-3.2,0.575)
  rect 0.3x1.15 smd: A5(1.25,0.575) A6(0.25,0.575) A7(-0.25,0.575) A8(-1.25,0.575) B5(-1.75,0.575) B6(-0.75,0.575) B7(0.75,0.575) B8(1.75,0.575)
  Keep-Out Layer board cut-out: -4.5,1.45 -4.5,7.55 4.5,7.55 4.5,1.45
WS2812B [mil] "3535"
  rect 59.1x39.4 smd: 1(-96,63) 2(-96,-63) 3(96,-63) 4(96,63)
  silkscreen extent 57,-83 103,-35, body extent -105,-97 105,97, height 59